# Altium PCB Traffic_Lignt_CU.PcbDoc (part 2 of 3)
Units mm, origin at the board's own origin, x right, y up, seen from the top; angles counter-clockwise.
Board outline 143.95 x 111.95 mm, 2 copper layers (Top Layer, Bottom Layer); 302 components, 196 nets, 839 pads, 465 vias.
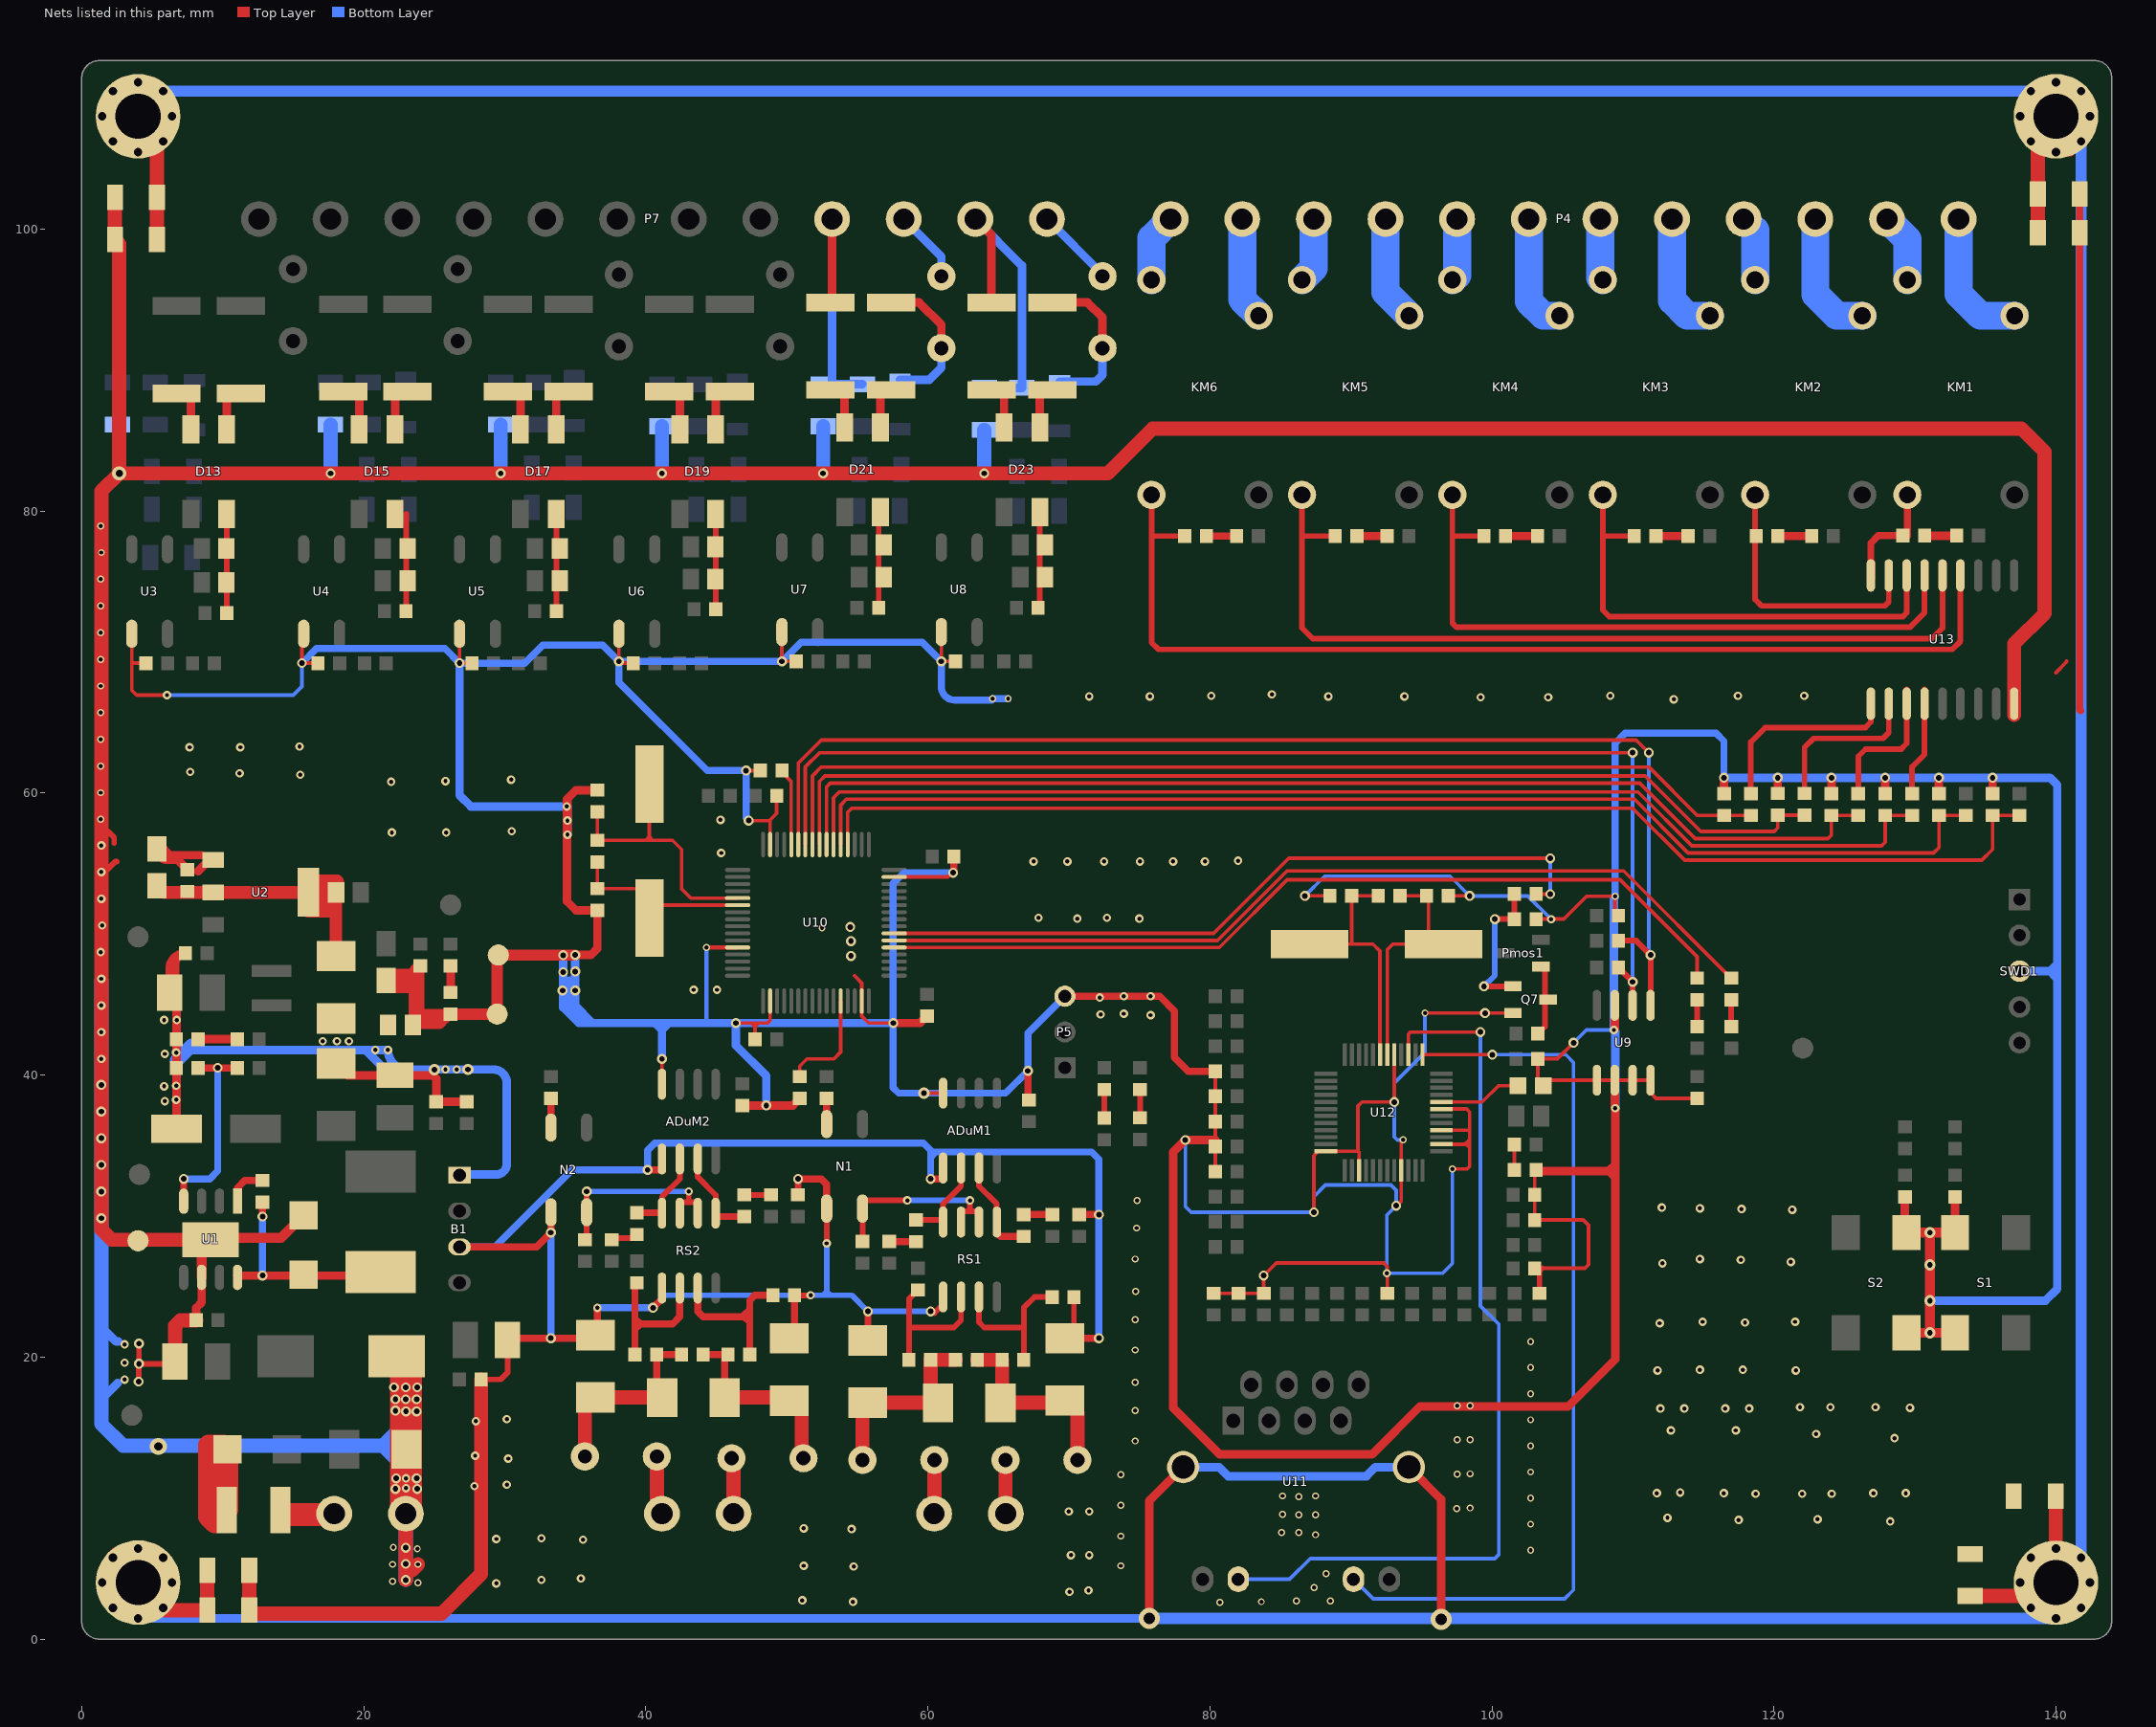
[diagram p2: the nets of this part, all layers, seen from the top]

## Via types
v1: diameter 0.7, hole 0.4, Top Layer to Bottom Layer, 172 vias
v2: diameter 0.6, hole 0.3, Top Layer to Bottom Layer, 164 vias
v3: diameter 0.5, hole 0.3, Top Layer to Bottom Layer, 78 vias
v4: diameter 0.8, hole 0.6, Top Layer to Bottom Layer, 32 vias
v5: diameter 0.8, hole 0.4, Top Layer to Bottom Layer, 10 vias
v6: diameter 0.9, hole 0.5, Top Layer to Bottom Layer, 4 vias
v7: diameter 1.5, hole 0.8, Top Layer to Bottom Layer, 2 vias
v8: diameter 1, hole 0.5, Top Layer to Bottom Layer, 2 vias
v9: diameter 1.2, hole 0.6, Top Layer to Bottom Layer, 1 vias

## Nets (pads, with @x,y where several pads share a name; then routed paths per layer and width w, separated by ;. In a path a pad name is that pad's centre, name@x,y a point inside that pad or via, vN(x,y) a via of type N, cw(c..) or ccw(c..) an arc to the next point about the centre after c; other vN are vias at no path point) (continued)
A/D_IN9: P7.4 R46.1 R49.2 R50.2 | length 19.9
  Top Layer w0.6: R46.1@53.086,94.794 53.213,94.921 P7.4@53.213,100.711
  Bottom Layer w0.6: P7.4@53.213,100.711 53.213,89.027 53.179,88.993 R49.2@55.372,88.993
A/D_IN10: F13.1 P7.3 | length 5.2
  Bottom Layer w0.6: P7.3@58.293,100.711 60.96,98.044 F13.1@60.96,96.647
A/D_IN10-2: D22.2 F13.2 R51.1 | length 10.5
  Top Layer w0.6: R51.1@57.404,94.794 59.384,94.794 60.96,93.218 F13.2@60.96,91.547
  Bottom Layer w0.6: D22.2@58.039,89.314 60.104,89.314 60.96,90.17 F13.2@60.96,91.547
A/D_IN11: P7.2 R53.1 R56.2 R59.2 | length 22.4
  Top Layer w0.6: P7.2@63.373,100.711 64.516,99.568 R53.1@64.516,94.794
  Bottom Layer w0.6: P7.2@63.373,100.711 66.675,97.409 R56.2@66.675,88.739 R59.2@64.008,88.739
A/D_IN12: F14.1 P7.1 | length 5.7
  Bottom Layer w0.6: P7.1@68.453,100.711 72.39,96.774 F14.1@72.39,96.647
A/D_IN12-2: D24.2 F14.2 R57.1 | length 11.3
  Top Layer w0.6: R57.1@68.834,94.794 71.322,94.794 72.39,93.726 F14.2@72.39,91.547
  Bottom Layer w0.6: D24.2@69.342,89.187 71.915,89.187 72.39,89.662 F14.2@72.39,91.547
ACTLED: U11.10 U12.27 | length 63.4
  Top Layer w0.254: U12.27@94.079,41.446 94.079,42.898 94.234,43.053 v1(99.187,43.053)
  Bottom Layer w0.254: U11.10@82.017,4.244 85.651,4.244 87.122,5.715 100.203,5.715 100.499,6.011 100.499,22.31 99.187,23.622 v1(99.187,43.053)
AT_SCL: R87.2 U9.6 U10.58 | length 83.9
  Top Layer w0.254: U10.58@51.32,56.35 51.32,61.861 52.324,62.865 v1(109.982,62.865)
  Top Layer w0.4: R87.2@108.974,47.625 109.982,46.617 U9.6@109.982,44.945
  Bottom Layer w0.254: v1(109.982,46.609) v1(109.982,62.865)
AT_SDA: R88.2 U9.5 U10.59 | length 87.8
  Top Layer w0.254: U10.59@50.82,56.35 50.82,62.123 52.451,63.754 110.236,63.754 v1(111.125,62.865)
  Top Layer w0.4: R88.2@108.974,49.53 110.236,49.53 v1(111.252,48.514) U9.5@111.252,44.945
  Bottom Layer w0.254: v1(111.125,62.865) 111.125,48.641 v1(111.252,48.514)
BOOT0: R91.2 U10.60 | length 5.4
  Top Layer w0.254: R91.2@49.657,61.468 50.32,60.805 U10.60@50.32,56.35
BOOT1: R95.2 U10.28 | length 7.7
  Top Layer w0.254: R95.2@50.927,39.886 50.927,40.64 51.435,41.148 53.34,41.148 53.82,41.628 U10.28@53.82,45.25
EGND: EC1.1 EC2.1 EC3.1 EC4.1 EGND1.0 EGND2.0 EGND3.0 EGND4.0 ER1.1 ER2.1 ER3.1 ER4.1 U11.13 U11.14 | length 518.8
  Top Layer w0.6: v4(4,6.413) EGND1.0@3.963,6.413 ; v4(4,110.413) EGND2.0@3.937,110.413 ; EGND2.0@5.34,105.784 v4(5.778,106.222) ; v7(75.7,1.46) 75.7,9.783 U11.13@78.111,12.194 ; U11.14@94.111,12.194 96.4,9.905 v7(96.4,1.4) ; EGND4.0@138.71,105.734 v4(138.222,106.222) ; EGND3.0@139.99,6.44 cw(c139.95,6.44) EGND3.0@139.98,6.413 ; EGND3.0@140,4 cw(c139.06,4) 139.06,3.06 EGND3.0@138.222,3.06 ; v4(140,6.413) EGND3.0@139.98,6.413 ; v4(140,110.413) 138.857,110.413 v4(138.222,109.778) ; EGND4.0@140.05,110.2 140.472,109.778 EGND4.0@140.672,109.778 ; v4(2.222,5.778) 2.46,6.016 2.857,6.413 EGND1.0@3.963,6.413 ; v4(2.222,5.778) 3.328,5.778 EGND1.0@3.963,6.413 ; v4(2.222,5.778) 2.222,4.762 v4(1.46,4) 2.222,3.238 v4(2.222,2.222) 2.73,2.73 v4(4,1.46) 4.762,2.222 v4(5.778,2.222) 5.778,3.365 v4(6.413,4) 5.778,4.635 v4(5.778,5.778) 4.922,5.778 4.25,6.45 4,6.45 EGND1.0@3.963,6.413 ; EGND2.0@2.857,110.413 2.944,110.5 3.85,110.5 EGND2.0@3.937,110.413 ; EGND2.0@2.857,110.413 v4(2.222,109.778) 2.222,108.762 v4(1.46,108) 2.222,107.238 v4(2.222,106.222) 3.238,106.222 v4(4,105.46) 4.762,106.222 v4(5.778,106.222) ; EGND2.0@2.857,110.413 EGND2.0@3.937,110.413 ; EGND2.0@3.937,110.413 4.572,109.778 v4(5.778,109.778) 5.778,108.635 v4(6.413,108) 5.778,107.365 v4(5.778,106.222) ; EGND3.0@138.222,3.06 v4(138.222,2.222) 139.238,2.222 v4(140,1.46) 140.762,2.222 v4(141.778,2.222) 141.778,3.365 v4(142.413,4) 141.778,4.635 v4(141.778,5.778) 140.572,5.778 EGND3.0@139.95,6.4 ; EGND3.0@138.222,3.06 138.222,3.238 v4(137.46,4) 138.222,4.762 v4(138.222,5.778) EGND3.0@138.844,6.4 ; v4(138.222,106.222) 139.238,106.222 v4(140,105.46) ; v4(138.222,106.222) 138.222,107.238 v4(137.46,108) 138.222,108.762 v4(138.222,109.778) ; v4(138.222,109.778) 139.428,109.778 140.05,110.4 EGND4.0@140.672,109.778 ; EGND3.0@138.844,6.4 138.857,6.413 EGND3.0@139.98,6.413 ; EGND3.0@138.844,6.4 EGND3.0@139.95,6.4 ; EGND3.0@139.95,6.4 ccw(c139.95,6.44) EGND3.0@139.98,6.413 ; v4(140,105.46) 141.016,105.46 v4(141.778,106.222) ; v4(140,105.46) 140.762,106.222 v4(141.778,106.222) ; EGND4.0@140.672,109.778 v4(141.778,109.778) 141.778,108.635 v4(142.413,108) ; v4(141.778,106.222) 142.413,106.857 v4(142.413,108) ; v4(141.778,106.222) 141.778,107.365 v4(142.413,108)
  Top Layer w1: v4(2.222,5.778) ccw(c2.222,6.016) EGND1.0@2.46,6.016 ; EGND1.0@4.762,2.222 ccw(c5.074,2.222) EGND1.0@5.074,1.91 ; EC3.1@5.34,99.25 ER3.1@5.34,102.25 EGND2.0@5.34,105.784 ; v4(5.778,2.222) ccw(c5.95,2.222) 5.95,2.05 ER4.1@8.91,2.05 EC4.1@8.91,4.89 ; EC1.1@133.9,3.06 EGND3.0@138.222,3.06 ; ER2.1@138.71,99.75 EC2.1@138.71,102.5 EGND4.0@138.71,105.734 ; EGND3.0@139.99,6.44 ER1.1@139.99,10.15
  Bottom Layer w0.6: v4(4,1.46) 5.778,1.46 ; v4(5.778,2.222) 5.778,1.46 ; v7(75.7,1.46) 5.778,1.46 ; U11.13@78.111,12.194 80.656,12.194 81.3,11.55 91.1,11.55 91.744,12.194 U11.14@94.111,12.194
  Bottom Layer w0.8: v4(5.778,109.778) v4(138.222,109.778) ; v7(75.7,1.46) v4(140,1.46) ; v4(141.778,5.778) v4(141.778,106.222)
GND: ADuM1.4 ADuM2.4 C5.1 C9.1 C11.1 C15.2 C16.2 C22.2 C26.2 C31.2 C32.2 C36.1 C37.2 C38.1 C39.1 C40.1 C41.1 C42.1 C43.1 C44.1 C45.1 C46.1 C47.1 C48.1 C49.1 C50.1 C51.2 C53.2 C54.2 C55.2 C56.1 D6.K D41.K E5.2 EC1.2 EC2.2 ER1.2 ER2.2 GND1.1 L4.2 P5.3 Q7.2 R91.1 R95.1 R99.1 R103.1 R104.1 R105.1 R106.1 R107.1 R113.2 R119.2 R122.2 R123.2 R124.2 R125.2 R126.2 R127.2 S1.1 S1.4 S2.2 S2.3 SWD1.3 U3.3 U4.3 U5.3 U6.3 U7.3 U8.3 U9.1 U9.2 U9.3 U9.4 U9.7 U10.12 U10.18 U10.31 U10.47 U10.63 U12.3 U12.9 U12.14 U12.16 U12.19 U12.29 U12.48 VSS1.1 | length 762.3
  Top Layer w0.254: U3.3@3.556,71.295 3.429,71.168 3.556,71.041 3.556,69.215 ; C15.2@4.564,69.215 3.556,69.215 ; v2(6.05,66.95) 3.9,66.95 3.556,67.294 3.556,69.215 ; U4.3@15.748,71.295 15.621,71.168 v1(15.621,69.215) C16.2@16.756,69.215 ; U5.3@26.797,71.295 v1(26.797,69.215) C22.2@27.678,69.215 ; U6.3@38.1,71.295 v1(38.1,69.342) 38.227,69.215 C26.2@39.108,69.215 ; ADuM2.4@41.148,39.357 v1(41.148,41.148) ; v1(46.388,43.688) 47.482,43.688 ; v1(47.117,61.595) R91.1@48.125,61.595 ; v1(47.3,58.05) 48.779,58.05 48.82,58.091 ; C45.1@47.744,42.545 47.744,43.426 ; U10.18@48.82,45.25 48.82,43.867 48.641,43.688 48.006,43.688 ; U10.63@48.82,56.35 48.82,58.091 ; C42.1@49.284,59.817 49.284,58.555 48.82,58.091 ; U7.3@49.657,71.422 v1(49.657,69.342) C31.2@50.665,69.342 ; 54.8,47.05 55.32,46.53 U10.31@55.32,45.25 55.32,44.18 55.812,43.688 v1(57.55,43.688) ; U10.47@57.62,54.05 61.416,54.05 v1@61.857,54.491 ; v5(59.722,38.722) ADuM1.4@61.087,38.722 ; U8.3@60.96,71.422 v1(60.96,69.342) C32.2@61.968,69.342 ; C9.1@67.1,38.318 C9.1@67.183,38.235 ; C55.2@80.264,24.527 C53.2@82.042,24.527 C51.2@83.82,24.527 v1(83.82,25.781) 84.709,26.67 92.329,26.67 92.583,26.416 C56.1@92.583,24.527 ; R103.1@80.383,33.155 R104.1@80.383,34.933 R105.1@80.383,36.711 R106.1@80.383,38.489 R107.1@80.383,40.267 ; v1@86.753,52.717 C47.1@88.519,52.717 ; v1(87.376,30.274) 87.376,34.29 87.682,34.596 U12.48@88.229,34.596 90.499,34.596 ; U12.3@90.579,33.246 90.579,34.516 90.499,34.596 ; U12.29@93.079,41.446 v1(93.079,38.088) 90.788,38.088 90.499,37.799 90.499,34.596 ; v1(93.218,30.734) 93.579,31.095 U12.9@93.579,33.246 93.579,35.279 v3(93.7,35.4) ; v3(95.253,44.397) v1(99.515,44.397) Q7.2@101.493,44.397 ; U12.14@96.429,35.096 98.088,35.096 ; U12.16@96.429,36.096 98.397,36.096 ; U12.19@96.429,37.596 98.204,37.596 98.425,37.375 98.425,35.433 ; C49.1@96.917,52.717 v1@98.413,52.717 ; v3(97.2,33.35) 98.25,33.35 98.425,33.525 98.425,34.85 ; C46.1@103.044,26.297 103.55,26.297 106.597,26.297 106.85,26.55 106.85,29.35 106.474,29.726 C48.1@103.044,29.726 C50.1@103.044,31.504 D41.K@103.044,33.194 ; R99.1@103.132,51.062 105.112,51.062 106.725,52.675 v3(108.725,52.675) 108.725,51.557 C37.2@108.974,51.308 ; v1(105.791,42.291) 104.656,41.156 R119.2@103.259,41.156 103.259,39.635 108.712,39.635 U9.4@111.25,39.635 ; U9.4@111.252,39.637 111.252,38.735 111.641,38.346 C41.1@114.554,38.346 ; 140,68.55 140.75,69.3 140.75,69.35 ; 47.482,43.688 48.006,43.688 ; 47.482,43.688 47.744,43.426 ; 47.744,43.426 48.006,43.688 ; 98.088,35.096 98.179,35.096 ; 98.088,35.096 98.425,35.433 ; 98.179,35.096 98.421,35.096 98.425,35.1 ; 98.179,35.096 98.425,34.85 ; 98.425,34.85 98.425,35.1 ; 98.425,35.1 98.425,35.433
  Top Layer w0.3: v3(44.3,49.05) U10.12@46.52,49.05
  Top Layer w0.4: C46.1@103.044,26.297 C46.1@103.378,25.963 ; R113.2@103.378,24.527 C46.1@103.378,25.963 ; 103.55,26.297 103.378,26.125 C46.1@103.378,25.963
  Top Layer w0.5: v1@61.857,54.491 C43.1@61.857,55.499 ; C9.1@67.1,38.318 v1(67.1,40.3) ; P5.3@69.723,45.593 76.457,45.593 77.5,44.55 77.5,41.25 78.483,40.267 R107.1@80.383,40.267 ; EC2.2@141.69,102.5 ER2.2@141.69,99.75 141.69,65.91 141.75,65.85
  Top Layer w0.6: E5.2@21.677,46.609 cw(c21.677,46.696) E5.2@21.59,46.696 ; D6.K@26.17,44.323 D6.K@26.162,44.315 ; VSS1.1@29.464,48.514 VSS1.1@29.55,48.514 ; v2(34.45,57.05) v2(34.45,58.05) 34.45,59.53 ; v1(35,48.514) 36.114,48.514 36.576,48.976 C38.1@36.576,51.681 35.06,51.681 34.417,52.324 34.417,59.563 34.45,59.53 ; C36.1@36.576,60.206 35.06,60.206 34.45,59.596 34.45,59.53 ; C11.1@46.863,37.838 50.419,37.838 R95.1@50.927,38.346 ; v1(57.55,43.688) 59.444,43.688 C44.1@59.944,44.188 ; R104.1@80.383,35.4 v1(78.265,35.4) 77.4,34.535 77.4,16.4 80.7,13.1 91.5,13.1 94.9,16.5 105.4,16.5 108.75,19.85 108.75,32.744 ; D41.K@103.044,33.194 108.3,33.194 ; v2(108.65,43.2) 108.712,43.262 U9.7@108.712,44.945 ; U9.2@108.712,39.637 108.712,39.635 108.712,37.688 v2(108.75,37.65) 108.75,33.644 ; R122.2@116.459,59.96 v1(116.459,61.087) ; R123.2@120.269,59.968 v1(120.269,61.087) ; R124.2@124.079,59.96 v1(124.079,61.087) ; R125.2@127.889,59.96 v1(127.889,61.087) ; S2.3@129.286,28.956 C40.1@129.286,31.361 ; R126.2@131.699,59.96 v1(131.699,61.087) ; S1.4@132.842,28.829 C39.1@132.842,31.361 ; R127.2@135.509,59.96 v1(135.509,61.087) ; E5.2@21.59,46.696 ccw(c22.186,46.696) 22.186,46.1 23.495,46.1 ; E5.2@21.59,46.696 ccw(c21.804,46.696) 21.804,46.482 23.495,46.482 ; E5.2@21.59,46.696 cw(c21.794,46.696) 21.794,46.9 23.495,46.9 ; E5.2@21.59,46.696 cw(c22.13,46.696) 22.13,47.236 23.495,47.236 ; L4.2@23.481,43.561 ccw(c23.481,44.083) L4.2@23.495,43.561 ; L4.2@23.481,43.561 cw(c23.896,43.561) L4.2@23.495,43.668 ; L4.2@23.481,43.561 L4.2@23.495,43.561 ; L4.2@23.495,43.561 ccw(c23.481,44.083) L4.2@23.992,43.976 ; L4.2@23.495,43.561 L4.2@23.495,43.668 ; L4.2@23.495,43.561 25.408,43.561 D6.K@25.823,43.976 ; L4.2@23.495,43.668 cw(c23.896,43.561) 23.896,43.976 L4.2@23.992,43.976 ; L4.2@23.495,43.668 23.495,46.1 ; 23.495,46.1 23.495,46.482 ; 23.495,46.482 23.495,46.9 ; 23.495,46.9 23.495,47.236 ; 23.495,47.236 cw(c24.003,47.236) C5.1@24.003,47.744 24.003,44.4 ; L4.2@23.992,43.976 ccw(c23.481,44.083) 24.003,44.083 24.003,44.4 ; L4.2@23.992,43.976 D6.K@25.823,43.976 ; 24.003,44.4 26.077,44.4 cw(c26.077,44.315) D6.K@26.162,44.315 ; D6.K@25.823,43.976 D6.K@26.162,44.315 ; 108.3,33.194 108.75,32.744 ; 108.3,33.194 108.75,33.194 ; 108.3,33.194 108.75,33.644 ; 108.75,32.744 108.75,33.194 ; 108.75,33.194 108.75,33.644
  Top Layer w0.7: S2.2@129.413,21.717 v5(131.064,21.717) ; S2.3@129.413,28.829 v5(131.064,28.829) ; S1.1@132.842,21.717 v5(131.064,21.717) ; S1.4@132.842,28.829 v5(131.064,28.829) ; v5(131.064,21.717) v5(131.064,24.003) v5(131.064,26.543) v5(131.064,28.829)
  Top Layer w0.8: D6.K@26.17,44.323 GND1.1@29.464,44.323 VSS1.1@29.464,48.514 ; VSS1.1@29.55,48.514 v1(35,48.514)
  Bottom Layer w0.254: v2(6.05,66.95) 15.007,66.95 15.621,67.564 v1(15.621,69.215) ; v1@37.973,69.215 v1(38.1,69.342) ; v1(78.265,35.4) 78.265,30.685 78.676,30.274 v1(87.376,30.274) 87.376,31.376 88.2,32.2 92.85,32.2 93.218,31.832 v1(93.218,30.734) 92.55,30.066 v2(92.55,25.95) 96.5,25.95 97.2,26.65 v3(97.2,33.35) ; v1(86.741,52.705) 88.136,54.1 97.03,54.1 v1(98.425,52.705) 102.545,52.705 v2(104.2,51.05) ; v3(93.7,35.4) 93.3,35.4 93.079,35.621 v1(93.079,38.088) 93.079,39.429 95.253,41.603 v3(95.253,44.397) ; v1(105.791,42.291) 106.7,43.2 v2(108.65,43.2)
  Bottom Layer w0.3: 44.3,43.688 v3(44.3,49.05)
  Bottom Layer w0.5: v1(15.621,69.215) 16.656,70.25 25.762,70.25 v1(26.797,69.215) 31.415,69.215 32.7,70.5 36.942,70.5 v1(38.1,69.342) ; v1(47.3,58.05) 47.117,58.233 v1(47.117,61.595) 44.355,61.595 38.1,67.85 v1(38.1,69.342) ; v1(61.8,54.35) 58.3,54.35 57.55,53.6 v1(57.55,43.688) 57.55,39.1 57.928,38.722 v5(59.722,38.722) 65.522,38.722 v1(67.1,40.3) 67.1,42.97 P5.3@69.723,45.593 ; v3(65.7,66.7) v3(64.6,66.7) cw(c64.5,66.7) 64.5,66.6 61.9,66.6 cw(c61.9,67.54) 60.96,67.54 v1(60.96,69.342) 59.602,70.7 51.015,70.7 v1(49.657,69.342) v1(38.1,69.342) ; v3(108.725,52.675) 108.725,63.525 109.45,64.25 115.9,64.25 116.459,63.691 v1(116.459,61.087)
  Bottom Layer w0.6: v1(26.797,69.215) 26.797,59.853 27.6,59.05 v2(34.4,59.05) 34.45,59 v2(34.45,58.05) v2(34.45,57.05) ; v1(34.15,48.5) v1(34.15,47.3) 34.15,44.8 35.262,43.688 35.812,43.688 ; 34.6,46.7 34.6,44.9 35.812,43.688 ; v1(35,48.514) v1(35,47.35) v1(35,46) 35,44.9 36.212,43.688 ; v1(41.148,41.148) 41.148,43.198 ; v1(48.55,37.85) 48.55,39.95 46.388,42.112 v1(46.388,43.688) ; v1(57.55,43.688) v1(46.388,43.688) ; v3(108.725,52.675) 108.65,52.6 v2(108.65,43.2) 108.75,43.1 v2(108.75,37.65) ; v1(116.459,61.087) v1(120.269,61.087) v1(124.079,61.087) v1(127.889,61.087) v1(131.699,61.087) v1(135.509,61.087) 139.573,61.087 140.081,60.579 140.081,47.879 ; v5(131.064,24.003) 139.253,24.003 140.081,24.831 140.081,46.95 ; SWD1.3@137.414,47.371 139.573,47.371 ; 35.812,43.688 36.212,43.688 ; 36.212,43.688 40.7,43.688 ; 40.7,43.688 41.638,43.688 ; 40.7,43.688 40.7,43.646 41.148,43.198 ; 41.148,43.198 41.638,43.688 ; 41.638,43.688 v1(46.388,43.688) ; 139.573,47.371 139.994,46.95 140.081,46.95 ; 139.573,47.371 140.081,47.879 ; 140.081,46.95 140.081,47.879
  other v1: 34.1,46 54.55,48.45 54.55,49.5 54.5,50.5
  other v2: 128.25,8.35 117.5,8.45 123.1,8.5 112.45,8.6 118.7,10.3 122,10.3 124.1,10.3 111.7,10.35 116.45,10.35 127.05,10.35 129.35,10.35 113.35,10.4 128.55,14.25 123,14.55 112.7,14.8 117.3,14.8 111.95,16.35 113.65,16.35 116.55,16.35 118.25,16.35 129.65,16.4 121.85,16.45 124,16.45 127.2,16.45 111.75,19.05 121.55,19.05 114.75,19.1 117.8,19.1 111.9,22.4 117.95,22.45 114.95,22.5 121.5,22.5 112.1,26.65 121.2,26.75 117.65,26.9 114.75,26.95 121.3,30.45 117.7,30.5 114.75,30.55 112.05,30.6 75.8,44.25 72.25,44.3 73.9,44.35 72.2,45.5 73.9,45.593 75.8,45.593 43.4,46.05 45.05,46.05 70.6,51.1 75,51.1 67.85,51.15 72.7,51.15 67.5,55.15 69.9,55.15 72.5,55.15 75.05,55.15 77.4,55.15 79.65,55.15 82,55.2 45.35,55.75 22,57.2 25.85,57.2 30.5,57.3 45.3,58.1 21.95,60.8 25.8,60.85 30.45,60.95 15.5,61.3 11.2,61.4 7.7,61.5 7.65,63.25 11.25,63.25 15.45,63.3 112.9,66.65 99.2,66.8 104,66.8 71.45,66.85 75.75,66.85 88.4,66.85 93.8,66.85 80.1,66.9 108.4,66.9 117.45,66.9 122.15,66.9 84.4,67
  other v3: 80.7,2.6 83.65,2.65 86.15,2.7 88.55,2.7 87.4,3.65 88.25,4.65 102.75,6.3 87.5,7.4 85.1,7.55 86.3,7.55 102.75,8.15 86.3,8.8 87.5,8.8 85.15,8.85 97.5,9.25 98.45,9.3 102.75,10 86.3,10.1 85.15,10.15 87.5,10.15 97.55,11.7 98.45,11.717 102.75,11.85 102.75,13.7 98.45,14.133 97.55,14.15 102.75,15.55 97.55,16.55 98.45,16.55 102.75,17.4 102.75,19.25 102.75,21.1 52.5,50.45
GNDIN: B1.1 C2.1 C3.2 C4.1 C6.1 C7.1 D2.1 D4.1 D5.1 D10.1 D25.K E1.2 E2.2 E3.2 E4.2 E7.2 E8.2 EC3.2 ER3.2 GNDIN1.1 L4.1 P1.2 R2.2 R22.1 R31.1 R38.1 R45.1 R50.1 R59.1 U1.6 U1.9 U2.1 U13.9 | length 472.9
  Top Layer w0.4: v2@1.397,54.1 1.397,54.147 2.4,55.15 2.5,55.15 ; 1.397,57.75 2.3,56.847 2.3,56.45 ; v1(4.04,18.256) v1@4.04,19.502 ; v1(4.064,20.955) v1(4.064,19.526) 6.469,19.526 E8.2@6.628,19.685 ; U1.9@8.509,27.686 U1.9@9.144,28.321
  Top Layer w0.6: E4.2@5.65,56.15 ccw(c6.8,56.15) E4.2@5.655,56.047 ; 6.65,47.2 6.65,47.933 cw(c7.358,47.933) C7.1@7.358,48.641 ccw(c7.358,47.53) 6.247,47.53 E7.2@6.247,45.847 cw(c6.247,45.371) 6.723,45.371 D25.K@6.723,42.545 R2.2@6.723,40.513 6.723,36.195 E2.2@6.731,36.195 ; C4.1@7.5,54.57 6.811,55.259 6.6,55.259 ; C2.1@8.12,22.606 8.12,23.487 8.509,23.876 U1.6@8.509,25.654 ; 8.25,54.45 9.059,55.259 U2.1@9.325,55.259 cw(c9.066,55.259) U2.1@9.066,55 ; 8.45,55.6 6.259,55.6 ; D4.1@18.034,40.818 18.871,39.981 E3.2@22.225,39.981 24.916,39.981 25.146,39.751 C3.2@25.146,38.108 C6.1@27.305,38.108 ; E4.2@5.334,56.047 ccw(c6.122,56.047) 6.071,55.261 ; E4.2@5.334,56.047 ccw(c5.781,56.047) 5.781,55.6 E4.2@5.79,55.6 ; E4.2@5.334,56.047 E4.2@5.655,56.047 ; E4.2@5.655,56.047 ccw(c6.8,56.15) E4.2@5.79,55.6 ; E4.2@5.655,56.047 5.812,56.047 6.259,55.6 ; E4.2@5.79,55.6 ccw(c6.8,56.15) 6.071,55.261 ; E4.2@5.79,55.6 6.259,55.6 ; 6.071,55.261 ccw(c6.122,56.047) 6.122,55.259 6.6,55.259 ; 6.259,55.6 6.6,55.259
  Top Layer w0.7: U1.6@8.509,25.654 U1.9@8.509,27.686 ; U1.9@9.144,28.448 14.156,28.448 D2.1@15.748,30.04
  Top Layer w1: v2@1.397,54.1 1.397,29.053 2.129,28.321 U1.9@9.144,28.321 ; v2@1.397,54.147 1.397,57.75 1.397,81.407 v8(2.667,82.677) ; ER3.2@2.36,102.25 EC3.2@2.36,99.25 2.667,98.943 v8(2.667,82.677) ; E8.2@6.628,19.685 6.628,22.228 7.006,22.606 C2.1@8.12,22.606 ; P1.2@22.352,9.525 E1.2@22.352,20.066 ; v1(22.987,4.191) 22.987,4.89 ; E1.2@22.987,19.431 v1(22.987,17.85) v1(22.987,17) P1.2@22.987,8.89 ; E1.2@23.622,18.796 23.622,9.525 P1.2@22.987,8.89 ; v3(23.85,5.3) 23.44,4.89 22.987,4.89 ; U13.9@137.033,65.554 137.033,70.583 139.192,72.742 139.192,84.201 137.541,85.852 75.952,85.852 72.777,82.677 v1(52.578,82.677) v8(2.667,82.677) ; 22.987,4.89 v1(22.987,5.334) v1(22.987,6.477) P1.2@22.987,8.89
  Bottom Layer w0.6: 1.397,16.9 1.397,16.997 2.55,18.15 ; 1.397,22.15 2.447,21.1 2.6,21.1 ; v2(6.7,38.25) ccw(c6.7,38.3) 6.75,38.3 6.75,41.05 v2@6.75,41.726 ; v2(6.7,41.6) cw(c6.883,41.6) v2@6.75,41.726 ; v2(6.75,43.9) 6.75,41.783 v2@6.883,41.783 ; 21.65,40.25 20.117,41.783 ; B1.1@26.797,32.893 cw(c26.854,32.893) 26.854,32.95 29.4,32.95 ccw(c29.4,33.7) 30.15,33.7 30.15,39.45 ccw(c29.2,39.45) 29.2,40.4 v5(27.4,40.4) v2(26.6,40.4) v2(25.8,40.4) 25.033,40.4 v5(25.019,40.386) 23.114,40.386 cw(c23.114,41.783) v2(21.717,41.783) v2(20.828,41.783) 20.117,41.783 ; v2@6.75,41.726 cw(c6.883,41.6) v2@6.883,41.783 ; v2@6.883,41.783 7.483,41.783 20.117,41.783
  Bottom Layer w1: 1.397,16.9 1.397,15.253 2.934,13.716 v9@5.384,13.716 ; 1.397,16.997 1.397,22.15 v1(1.397,29.845) v2@1.397,46.7 ; v8(2.667,82.677) R22.1@2.667,86.013 ; v9(5.44,13.66) v9@5.384,13.716 ; 6.75,41.05 7.483,41.783 7.8,42.1 ; v1(17.653,82.677) R31.1@17.653,86.14 ; 22.25,14.6 21.366,13.716 ; v1(22.987,4.191) v1(22.987,5.334) v1(22.987,6.477) P1.2@22.987,8.89 22.987,12.573 22.63,12.93 ; v1(29.718,82.677) R38.1@29.718,86.14 ; v1(41.148,82.677) R45.1@41.148,86.013 ; v1(52.578,82.677) R50.1@52.578,86.013 ; v1(64.008,82.677) R59.1@64.008,85.759 ; v9@5.384,13.716 21.366,13.716 ; 21.366,13.716 21.844,13.716 22.63,12.93 ; 21.366,13.716 22.152,12.93 22.63,12.93
  other v1: 22.25,10.65 23.8,10.65 22.3,11.4 23.75,11.4 23,16.15 23.75,16.15 22.25,16.2 22.25,17 23.75,17 22.15,17.85 23.8,17.85 1.397,31.737 1.397,33.63 1.397,35.522 1.397,37.415 1.397,39.307
  other v2: 23,10.7 23,11.4 3.05,18.4 3.05,19.6 3.05,20.9 5.9,38.15 5.85,39.2 6.7,39.25 1.397,41.15 5.9,41.5 17.1,42.4 18.1,42.4 18.95,42.4 1.397,43.042 5.85,43.9 1.397,44.935 1.397,46.827 1.35,48.72 1.45,50.612 1.397,52.505 1.397,54.397 1.4,56.29
  other v3: 23.85,4 22.05,4.1 22.05,5.3 23.8,6.4 22.1,6.5 1.35,58.132 1.35,60.025 1.35,61.917 1.35,63.81 1.35,65.702 1.35,67.595 1.35,69.487 1.35,71.38 1.35,73.272 1.35,75.165 1.4,77.057 1.35,78.95
GNDISO: ADuM1.5 ADuM2.5 B1.3 C8.1 C10.1 C58.2 E9.2 EC4.2 ER4.2 N1.3 N2.3 R8.1 R15.1 RS1.5 RS2.5 TVS1.2 TVS3.1 TVS4.2 TVS6.1 | length 183
  Top Layer w0.4: C58.2@28.329,18.415 29.718,18.415 30.202,18.899 E9.2@30.202,21.209 ; R15.1@50.554,24.376 v2@51.808,24.376 ; v2(52.832,28.067) N1.3@52.832,30.528 ; v1(60.198,23.241) 60.198,23.381 60.465,23.114 61.087,23.736 RS1.5@61.087,24.27 ; TVS1.2@70.366,21.979 R8.1@70.366,24.257
  Top Layer w0.5: B1.3@26.797,27.813 32.258,27.813 v1(33.274,28.829) N2.3@33.274,30.274 ; E9.2@30.202,21.209 30.329,21.336 v1(33.274,21.336) 35.974,21.336 TVS6.1@36.101,21.209 ; TVS6.1@36.449,21.557 36.576,21.684 v2(36.576,23.495) ; v1(40.132,33.274) 41.148,33.274 ADuM2.5@41.148,34.049 ; v1(40.513,23.495) 41.148,24.13 RS2.5@41.148,24.897 ; TVS4.2@50.554,21.717 R15.1@50.554,24.376 ; C10.1@50.8,31.504 v1(50.8,32.639) 52.451,32.639 52.832,32.258 N1.3@52.832,30.528 ; TVS3.1@55.753,21.184 v1(55.753,23.241) ; v1(60.198,32.639) 61.087,32.639 ADuM1.5@61.087,33.414 ; TVS1.2@69.723,21.336 v1(72.136,21.336) ; C8.1@70.739,30.107 v1@72.128,30.107
  Top Layer w1: EC4.2@11.89,4.89 ER4.2@11.89,2.05 ccw(c12.14,2.05) 12.14,1.8 25.508,1.8 28.329,4.621 C58.2@28.329,18.415
  Bottom Layer w0.4: v1(40.513,23.495) 41.402,24.384 v2(51.689,24.384) 52.578,24.384 ; v2(52.832,28.067) 52.832,24.638 ; v1(60.198,23.241) v1(55.753,23.241) 54.61,24.384 53.086,24.384 ; 52.578,24.384 52.832,24.638 ; 52.578,24.384 52.832,24.384 ; 52.832,24.384 52.832,24.638 ; 52.832,24.384 53.086,24.384 ; 52.832,24.638 53.086,24.384
  Bottom Layer w0.5: B1.3@26.797,27.813 29.313,27.813 34.774,33.274 v1(40.132,33.274) 40.132,34.671 40.64,35.179 59.69,35.179 60.198,34.671 60.198,34.544 ; v1(33.274,21.336) v1(33.274,28.829) ; v2(36.576,23.495) v1(40.513,23.495) ; v1(60.198,32.639) 60.198,34.163 ; v1(72.136,21.336) v1(72.136,30.099) 72.136,34.036 71.628,34.544 60.579,34.544 ; 60.198,34.163 60.198,34.544 ; 60.198,34.163 60.579,34.544 ; 60.198,34.544 60.579,34.544
  other v2: 54.7,2.65 51.1,2.75 70.05,3.35 71.4,3.45 29.4,3.95 32.6,4.2 35.4,4.3 54.75,5.15 51.2,5.2 70.15,5.95 71.45,5.95 35.55,7.05 29.4,7.1 32.6,7.15 54.6,7.8 51.2,7.85 70,9.05 71.45,9.05 27.85,10.85 30.15,10.95 30.25,12.8 27.9,13 27.95,15.45 30.15,15.6
  other v3: 73.7,5.2 73.7,7.3 73.7,9.5 73.7,11.65 74.7,14.05 74.7,16.2 74.7,18.2 74.7,20.5 74.7,22.65 74.75,24.65 74.7,26.95 74.8,29.15 74.85,31.1
INTERNETRST: R98.2 U10.39 | length 52.4
  Top Layer w0.254: U10.39@57.62,50.05 80.276,50.05 85.598,55.372 v1(104.14,55.372) ; R98.2@103.14,52.832 v1(104.14,52.832)
  Bottom Layer w0.254: v1(104.14,52.832) v1@104.14,55.499
KM1: R60.2 R122.1 U10.57 | length 73.1
  Top Layer w0.254: U10.57@51.82,56.35 51.82,61.218 52.451,61.849 111.125,61.849 114.554,58.42 R60.2@118.364,58.42
KM1+: KM1.4 P4.2 | length 4.9
  Bottom Layer w2: P4.2@128.016,100.711 129.458,99.269 KM1.4@129.458,96.393
KM1-: KM1.3 P4.1 | length 9.9
  Bottom Layer w2: P4.1@133.096,100.711 133.096,95.404 134.647,93.853 KM1.3@137.058,93.853
KM2: R64.2 R123.1 U10.56 | length 77.1
  Top Layer w0.254: U10.56@52.32,56.35 52.32,60.829 52.705,61.214 110.871,61.214 114.808,57.277 120.015,57.277 120.269,57.531 R123.1@120.269,58.428 R64.2@122.174,58.428
KM2+: KM2.4 P4.4 | length 4.7
  Bottom Layer w2: P4.4@117.856,100.711 118.663,99.904 KM2.4@118.663,96.393
KM2-: KM2.3 P4.3 | length 9.3
  Bottom Layer w2: P4.3@122.936,100.711 122.936,95.364 124.447,93.853 KM2.3@126.263,93.853
KM3: R68.2 R124.1 U10.55 | length 80.5
  Top Layer w0.254: U10.55@52.82,56.35 52.82,60.44 53.086,60.706 110.49,60.706 114.427,56.769 123.825,56.769 124.079,57.023 R124.1@124.079,58.42 R68.2@125.984,58.42
KM3+: KM3.4 P4.6 | length 4.4
  Bottom Layer w2: P4.6@107.696,100.711 107.696,96.565 KM3.4@107.868,96.393
KM3-: KM3.3 P4.5 | length 8.9
  Bottom Layer w2: P4.5@112.776,100.711 112.776,94.924 113.847,93.853 KM3.3@115.468,93.853
KM4: R72.2 R125.1 U10.54 | length 83.5
  Top Layer w0.254: U10.54@53.32,56.35 53.32,59.67 53.721,60.071 110.363,60.071 114.173,56.261 127.635,56.261 127.889,56.515 R125.1@127.889,58.42 R72.2@129.794,58.42
KM4+: KM4.4 P4.8 | length 4.5
  Bottom Layer w2: KM4.4@97.2,96.393 97.536,96.729 P4.8@97.536,100.711
KM4-: KM4.3 P4.7 | length 8.4
  Bottom Layer w2: P4.7@102.616,100.711 102.616,94.884 103.647,93.853 KM4.3@104.8,93.853
KM5: R76.2 R126.1 U10.53 | length 86.8
  Top Layer w0.254: U10.53@53.82,56.35 53.82,59.154 54.229,59.563 110.109,59.563 113.919,55.753 131.318,55.753 131.699,56.134 R126.1@131.699,58.42 R76.2@133.604,58.42
KM5+: KM5.4 P4.10 | length 4.7
  Bottom Layer w2: KM5.4@86.532,96.393 87.376,97.237 P4.10@87.376,100.711
KM5-: KM5.3 P4.9 | length 7.6
  Bottom Layer w2: P4.9@92.456,100.711 92.456,95.529 KM5.3@94.132,93.853
KM6: R80.2 R127.1 U10.52 | length 89.8
  Top Layer w0.254: U10.52@54.32,56.35 54.32,58.638 54.61,58.928 109.982,58.928 113.665,55.245 134.747,55.245 135.509,56.007 R127.1@135.509,58.42 R80.2@137.414,58.42
KM6+: KM6.4 P4.12 | length 4.9
  Bottom Layer w2: KM6.4@75.864,96.393 75.864,99.359 P4.12@77.216,100.711
KM6-: KM6.3 P4.11 | length 7.3
  Bottom Layer w2: P4.11@82.296,100.711 82.296,95.021 KM6.3@83.464,93.853
LD1: D39.K U10.37 | length 62.7
  Top Layer w0.254: U10.37@57.62,49.05 80.68,49.05 85.478,53.848 109.102,53.848 114.554,48.396 D39.K@114.554,46.871
LD2: D40.K U10.38 | length 64.5
  Top Layer w0.254: U10.38@57.62,49.55 80.538,49.55 85.471,54.483 109.347,54.483 D40.K@116.967,46.863
LINKLED: U11.11 U12.25 | length 64.8
  Top Layer w0.254: U12.25@95.079,41.446 v1(100.032,41.446)
  Bottom Layer w0.254: U11.11@90.192,4.244 91.586,2.85 105.15,2.85 105.791,3.491 105.791,40.894 105.239,41.446 v1(100.032,41.446)
NetADuM1_6: ADuM1.6 D8.K RS1.4 | length 6.1
  Top Layer w0.4: D8.K@59.182,29.726 RS1.4@60.939,29.726 ; RS1.4@61.087,29.578 61.087,30.861 62.357,32.131 ADuM1.6@62.357,33.414
NetADuM1_7: ADuM1.7 D9.K RS1.1 | length 7.1
  Top Layer w0.4: ADuM1.7@63.627,33.414 63.627,32.131 64.897,30.861 RS1.1@64.897,29.578
  Top Layer w0.5: RS1.1@64.897,29.578 64.897,28.829 65.159,28.567 D9.K@66.802,28.567
NetADuM2_6: ADuM2.6 D11.K RS2.4 | length 7
  Top Layer w0.4: RS2.4@41.148,29.337 RS2.4@41.148,30.205 41.148,31.369 42.418,32.639 ADuM2.6@42.418,34.049
  Top Layer w0.5: D11.K@39.37,30.234 RS2.4@41.119,30.234
NetADuM2_7: ADuM2.7 D12.K RS2.1 | length 6.5
  Top Layer w0.4: ADuM2.7@43.688,34.049 43.688,32.766 44.958,31.496 RS2.1@44.958,30.205
  Top Layer w0.5: RS2.1@44.958,30.205 45.199,29.964 D12.K@46.99,29.964
NetC1_1: C1.1 D2.2 L1.1 U1.8 | length 17.2
  Top Layer w0.5: U1.8@11.049,25.781 v1(12.827,25.781) ; v1(12.827,29.972) C1.1@12.827,30.98 ; L1.1@20.955,25.781 L1.1@21.209,26.035
  Top Layer w0.6: U1.8@11.049,25.781 L1.1@20.955,25.781
  Bottom Layer w0.5: v1(12.827,25.781) v1(12.827,29.972)
NetC1_2: C1.2 U1.1 | length 2
  Top Layer w0.5: 11.049,32.004 11.565,32.52 C1.2@12.827,32.52
NetC4_2: C4.2 D5.2 E4.1 L2.1 U2.2 U2.4 | length 26
  Top Layer w0.9: E4.1@5.334,53.427 5.81,52.951 7.493,52.951 9.317,52.951 U2.2@9.325,52.959 U2.4@16.075,52.959 ; D5.2@18.034,48.438 18.034,51.689 ; 18.161,53.721 18.107,53.775 16.075,53.775 U2.4@16.075,52.959 ; U2.4@16.075,52.959 L2.1@18.048,52.959 18.034,52.945 18.034,52.197 ; U2.4@16.075,52.959 16.075,51.616 17.961,51.616 18.034,51.689 ; U2.4@16.075,52.959 16.837,52.197 18.034,52.197 ; 18.034,51.689 18.034,52.197
NetC13_1: C13.1 C14.1 D13.4 R24.2 | length 7
  Top Layer w0.4: R24.2@10.287,72.771 D13.4@10.287,79.804
NetC17_1: C17.1 C18.1 D15.4 R30.2 | length 6.9
  Top Layer w0.4: R30.2@23.009,72.898 23.009,79.796
NetC20_1: C20.1 C21.1 D17.4 R37.2 | length 6.9
  Top Layer w0.4: R37.2@33.663,72.898 D17.4@33.663,79.796
NetC24_1: C24.1 C25.1 D19.4 R44.2 | length 6.8
  Top Layer w0.4: R44.2@44.966,73.025 D19.4@44.966,79.796
NetC29_1: C29.1 C30.1 D21.4 R52.2 | length 6.7
  Top Layer w0.4: R52.2@56.523,73.152 D21.4@56.523,79.812
NetC33_1: C33.1 C34.1 D23.4 R58.2 | length 6.7
  Top Layer w0.4: R58.2@67.945,73.271 D23.4@67.945,79.931
NetC36_2: C36.2 R90.2 U10.5 Y1.2 | length 21
  Top Layer w0.254: C36.2@36.576,58.666 R90.2@36.576,56.65 40.005,56.65 ; Y1.2@40.259,61.646 Y1.2@40.259,60.63 40.259,56.904 ; U10.5@46.52,52.55 43.208,52.55 42.545,53.213 42.545,56.007 41.902,56.65 40.513,56.65 ; 40.005,56.65 40.259,56.65 ; 40.005,56.65 40.259,56.904 ; 40.259,56.65 40.513,56.65 ; 40.259,56.65 40.259,56.904 ; 40.259,56.904 40.513,56.65
NetC38_2: C38.2 R90.1 U10.6 Y1.1 | length 10.7
  Top Layer w0.254: R90.1@36.576,55.11 C38.2@36.576,53.221 39.184,53.221 ; Y1.1@40.355,52.05 U10.6@46.52,52.05
NetC47_2: C47.2 R111.2 U12.31 Y2.1 | length 19.3
  Top Layer w0.254: R111.2@91.948,52.717 C47.2@90.059,52.717 90.059,49.288 87.841,49.288 91.567,49.288 92.064,48.791 ; 92.056,48.791 92.056,41.469 U12.31@92.079,41.446
NetC49_2: C49.2 R111.1 U12.30 Y2.2 | length 17.7
  Top Layer w0.254: U12.30@92.579,41.446 92.579,48.895 ; 92.587,48.895 92.98,49.288 Y2.2@95.512,49.288 ; R111.1@93.488,52.717 C49.2@95.377,52.717 95.512,52.582 Y2.2@95.512,49.288 ; Y2.2@97.341,49.288 Y2.2@95.512,49.288
NetC54_1: C54.1 U12.20 | length 5.9
  Top Layer w0.254: U12.20@96.429,38.096 99.31,38.096 100.465,39.251 C54.1@101.843,39.251
NetD1_1: D1.1 F1.2 | length 13
  Top Layer w1.5: 9.45,8.25 9,8.7 9,12.85 ; F1.2@10.346,9.198 D1.1@10.346,13.462 ; 9,12.85 9.612,13.462 D1.1@10.346,13.462 ; 9,12.85 9,13.75 10.058,13.75 D1.1@10.346,13.462
NetD6_A: D6.A R3.2 | length 1.9
  Top Layer w0.6: D6.A@26.162,45.855 R3.2@26.162,47.744
NetD8_A: D8.A R6.2 | length 1.9
  Top Layer w0.5: R6.2@57.293,28.186 D8.A@59.182,28.186
NetD9_A: D9.A R5.1 | length 2
  Top Layer w0.5: D9.A@66.802,30.107 R5.1@68.834,30.107
NetD11_A: D11.A R13.2 | length 1.7
  Top Layer w0.4: R13.2@37.449,28.448 D11.A@39.116,28.448
NetD12_A: D12.A R11.1 | length 1.9
  Top Layer w0.4: D12.A@46.99,31.504 R11.1@48.895,31.504
NetD13_1: D13.1 R23.2 | length 3.6
  Top Layer w0.6: D13.1@10.287,85.804 10.287,88.34 R23.2@11.303,88.34
NetD13_3: D13.3 R18.2 | length 3.6
  Top Layer w0.6: R18.2@6.731,88.34 7.747,88.34 D13.3@7.747,85.804
NetD15_1: D15.1 R29.2 | length 3.6
  Top Layer w0.6: D15.1@22.225,85.804 22.225,88.467 R29.2@23.114,88.467
NetD15_3: D15.3 R25.2 | length 3.8
  Top Layer w0.6: R25.2@18.542,88.467 19.685,88.467 D15.3@19.685,85.804
NetD17_1: D17.1 R36.2 | length 3.5
  Top Layer w0.6: D17.1@33.655,85.804 33.655,88.392 33.73,88.467 R36.2@34.544,88.467
NetD17_3: D17.3 R32.2 | length 3.6
  Top Layer w0.6: R32.2@30.226,88.467 31.115,88.467 D17.3@31.115,85.804
NetD19_1: D19.1 R43.2 | length 3.7
  Top Layer w0.6: D19.1@44.958,85.804 44.958,88.467 R43.2@45.974,88.467
NetD19_3: D19.3 R39.2 | length 3.4
  Top Layer w0.6: R39.2@41.656,88.467 42.418,88.467 D19.3@42.418,85.804
NetD21_1: D21.1 R51.2 | length 3.4
  Top Layer w0.6: D21.1@56.642,85.931 56.642,88.594 R51.2@57.404,88.594
NetD21_3: D21.3 R46.2 | length 3.7
  Top Layer w0.6: R46.2@53.086,88.594 54.102,88.594 D21.3@54.102,85.931
NetD23_1: D23.1 R57.2 | length 3.6
  Top Layer w0.6: D23.1@67.945,85.931 67.945,88.594 R57.2@68.834,88.594
NetD23_3: D23.3 R53.2 | length 3.6
  Top Layer w0.6: R53.2@64.516,88.594 65.405,88.594 D23.3@65.405,85.931
NetD25_A: D25.A R128.2 | length 2.8
  Top Layer w0.6: D25.A@8.263,42.545 R128.2@11.041,42.545
NetD26_A: D26.A R61.2 | length 2.3
  Top Layer w0.6: D26.A@130.691,78.254 R61.2@132.961,78.254
NetD26_K: D26.K KM1.2 U13.18 | length 8.9
  Top Layer w0.5: U13.18@126.873,75.438 126.873,77.724 127.403,78.254 D26.K@129.151,78.254 ; U13.18@126.918,75.206 U13.18@126.918,76.372 ; D26.K@129.458,78.232 KM1.2@129.458,81.153
NetD28_A: D28.A R65.2 | length 2.1
  Top Layer w0.6: D28.A@120.277,78.232 R65.2@122.42,78.232
NetD28_K: D28.K KM2.2 U13.17 | length 19.1
  Top Layer w0.4: KM2.2@118.663,81.153 118.663,78.232 118.663,73.742 119.126,73.279 127.889,73.279 ; 127.889,73.301 128.143,73.555 U13.17@128.143,75.438
NetD30_A: D30.A R69.2 | length 2.3
  Top Layer w0.6: D30.A@111.641,78.232 R69.2@113.911,78.232
NetD30_K: D30.K KM3.2 U13.16 | length 34.9
  Top Layer w0.4: KM3.2@107.868,81.153 107.868,78.232 ; D30.K@110.101,78.232 107.868,78.232 ; 129.159,72.517 108.331,72.517 107.868,72.98 107.868,78.232 ; 129.159,72.539 129.413,72.793 U13.16@129.413,75.438
NetD32_A: D32.A R73.2 | length 2.3
  Top Layer w0.6: D32.A@100.973,78.232 R73.2@103.243,78.232
NetD32_K: D32.K KM4.2 U13.15 | length 48
  Top Layer w0.4: KM4.2@97.2,81.153 97.2,78.232 ; D32.K@99.433,78.232 97.2,78.232 ; 129.667,71.755 97.495,71.755 97.2,72.05 97.2,78.232 ; 129.667,71.777 130.683,72.793 U13.15@130.683,75.438
NetD34_A: D34.A R77.2 | length 2.1
  Top Layer w0.6: D34.A@90.432,78.232 R77.2@92.575,78.232
NetD34_K: D34.K KM5.2 U13.14 | length 61.6
  Top Layer w0.4: KM5.2@86.532,81.153 86.532,78.232 ; D34.K@88.892,78.232 86.532,78.232 ; U13.14@131.953,75.438 131.953,71.703 131.198,70.948 87.302,70.948 86.532,71.718 86.532,78.232
NetD36_A: D36.A R81.2 | length 2.1
  Top Layer w0.5: D36.A@79.764,78.232 R81.2@81.907,78.232
NetD36_K: D36.K KM6.2 U13.13 | length 75.3
  Top Layer w0.4: KM6.2@75.864,81.153 75.864,78.232 ; D36.K@78.224,78.232 75.864,78.232 ; U13.13@133.223,75.438 133.223,70.773 132.636,70.186 76.364,70.186 75.864,70.686 75.864,78.232
NetD37_A: D37.A R85.2 | length 1.9
  Top Layer w0.4: R85.2@75.057,37.084 D37.A@75.057,38.973
NetD38_A: D38.A R86.2 | length 2
  Top Layer w0.4: R86.2@72.517,36.957 D38.A@72.517,38.973
NetD39_A: D39.A R93.2 | length 1.9
  Top Layer w0.4: R93.2@114.554,43.442 D39.A@114.554,45.331
NetD40_A: D40.A R94.2 | length 1.9
  Top Layer w0.4: R94.2@116.967,43.442 D40.A@116.967,45.331
NetD41_A: D41.A R97.1 | length 1.8
  Top Layer w0.254: D41.A@101.592,33.282 R97.1@101.592,35.06
NetF1_1: F1.1 P1.1 | length 7.6
  Top Layer w1: F1.1@14.092,9.144 17.653,9.144 P1.1@17.907,8.89 17.526,8.509 F1.1@14.351,8.509
NetF4_1: F4.1 FB1.1 R9.2 TVS1.1 TVS2.2 | length 13.7
  Top Layer w1: R9.2@63.508,19.812 FB1.1@65.27,19.812 TVS2.2@65.27,16.883 ; TVS2.2@65.151,16.764 TVS1.1@69.571,16.764 ; TVS1.1@69.723,16.916 70.612,16.027 F4.1@70.612,12.7
NetF4_2: F4.2 P2.2 | length 3.8
  Top Layer w1: P2.2@65.512,8.91 F4.2@65.512,12.7
NetF5_1: F5.1 FB2.1 R9.1 TVS2.1 TVS3.2 | length 12.9
  Top Layer w1: F5.1@55.372,12.7 TVS3.2@55.372,16.383 ; TVS3.2@55.753,16.764 TVS2.1@60.731,16.764 ; TVS2.1@60.206,17.289 FB2.1@60.206,19.812 R9.1@61.968,19.812
NetF5_2: F5.2 P2.1 | length 3.8
  Top Layer w1: P2.1@60.472,8.91 F5.2@60.472,12.7
NetF6_1: F6.1 FB3.1 R16.2 TVS4.1 TVS5.2 | length 12
  Top Layer w0.5: R16.2@44.077,20.185 FB3.1@45.839,20.185 ; TVS5.2@45.593,17.137 FB3.1@45.593,19.939
  Top Layer w1: TVS5.2@45.593,17.137 TVS4.1@49.936,17.137 ; F6.1@51.054,12.827 TVS4.1@51.054,15.892
NetF6_2: F6.2 P3.2 | length 4
  Top Layer w0.5: F6.2@46.081,12.827 F6.2@46.228,12.68
  Top Layer w1: P3.2@46.228,8.89 F6.2@46.228,12.68
NetF7_1: F7.1 FB4.1 R16.1 TVS5.1 TVS6.2 | length 14.2
  Top Layer w0.5: TVS6.2@35.687,16.375 TVS6.2@36.449,17.137 ; TVS5.1@41.173,17.137 40.775,17.535 FB4.1@40.775,20.185 R16.1@42.537,20.185
  Top Layer w1: F7.1@35.687,12.954 TVS6.2@35.687,16.375 ; TVS6.2@36.449,17.137 TVS5.1@41.173,17.137
NetF7_2: F7.2 P3.1 | length 3.7
  Top Layer w1: P3.1@40.787,9.251 F7.2@40.787,12.954
NetFB1_2: FB1.2 R8.2 RS1.7 | length 11.2
  Top Layer w0.4: RS1.7@63.627,24.27 63.627,22.479 64.008,22.098 66.81,22.098 ; FB1.2@66.81,19.812 66.81,22.098 ; R8.2@68.826,24.257 67.564,24.257 66.81,23.503 66.81,22.868 66.81,22.098
NetFB2_2: FB2.2 R10.1 RS1.6 | length 10.8
  Top Layer w0.4: FB2.2@58.666,19.812 58.666,22.098 ; R10.1@59.309,24.757 58.666,24.114 58.666,22.098 ; RS1.6@62.357,24.27 62.357,22.606 61.849,22.098 58.666,22.098
NetFB3_2: FB3.2 R15.2 RS2.7 | length 12.4
  Top Layer w0.5: RS2.7@43.688,24.897 43.688,23.241 44.069,22.86 47.379,22.86 ; 46.863,22.86 47.379,23.376 ; 46.998,22.86 47.379,22.479 ; FB3.2@47.379,20.185 47.379,22.479 ; R15.2@49.014,24.376 47.744,24.376 47.379,24.011 47.379,22.86 ; 47.379,22.479 47.379,22.86
NetFB4_2: FB4.2 R17.1 RS2.6 | length 11.6
  Top Layer w0.5: FB4.2@39.235,20.185 39.235,21.971 ; R17.1@39.235,25.273 39.235,22.733 ; RS2.6@42.418,24.897 42.418,22.86 41.91,22.352 39.616,22.352 ; 39.235,21.971 39.235,22.352 ; 39.235,21.971 39.616,22.352 ; 39.235,22.352 39.616,22.352 ; 39.235,22.352 39.235,22.733 ; 39.235,22.733 39.616,22.352
NetN1_2: N1.2 R7.2 | length 1.9
  Top Layer w0.5: N1.2@52.832,36.401 R7.2@52.832,38.346
NetN1_4: N1.4 R4.2 RS1.2 RS1.3 | length 12.2
  Top Layer w0.4: N1.4@55.245,31.115 v2(58.547,31.115) ; R4.2@55.372,28.202 N1.4@55.372,30.655 ; RS1.3@62.484,30.347 63.119,30.347 ; v2(62.992,31.115) 62.992,30.347 RS1.2@63.627,30.347
  Bottom Layer w0.4: v2(58.547,31.115) v2(62.992,31.115)
NetN2_2: N2.2 R14.2 | length 1.7
  Top Layer w0.5: N2.2@33.274,36.449 R14.2@33.274,38.156
NetN2_4: N2.4 R12.2 RS2.2 RS2.3 | length 12.4
  Top Layer w0.4: R12.2@35.814,28.583 N2.4@35.814,30.274 v1(35.814,31.75) ; RS2.3@42.418,30.988 43.053,30.988 ; v2(43.053,31.75) 43.053,30.988 ; RS2.2@43.688,30.988 43.053,30.988
  Bottom Layer w0.4: v1(35.814,31.75) v2(43.053,31.75)
NetPmos1_1: Pmos1.1 Q7.3 R96.1 | length 5.3
  Top Layer w0.4: R96.1@103.259,42.934 103.759,43.434 103.759,45.113 Q7.3@103.993,45.347 103.759,45.581 103.759,47.425 Pmos1.1@103.485,47.699
NetQ7_1: Q7.1 R98.1 R99.2 | length 10.3
  Top Layer w0.4: v1(99.441,46.297) Q7.1@101.493,46.297 ; v1(100.211,51.062) R99.2@101.592,51.062 R98.1@101.592,52.84
  Bottom Layer w0.4: v1(99.441,46.297) 100.211,47.067 v1(100.211,51.062)
NetR1_1: R1.1 R2.1 U1.4 | length 14
  Top Layer w0.5: U1.4@7.239,31.181 v1(7.239,32.639) ; R2.1@8.628,40.513 R1.1@11.176,40.513
  Bottom Layer w0.5: v1(7.239,32.639) 9.089,32.639 9.652,33.202 v1(9.652,40.513)
NetR60_1: R60.1 U13.1 | length 14
  Top Layer w0.4: R60.1@118.364,59.96 118.364,63.627 119.38,64.643 126.492,64.643 ; 126.492,64.665 126.873,65.046 U13.1@126.873,66.338
NetR64_1: R64.1 U13.2 | length 11.7
  Top Layer w0.4: R64.1@122.174,59.968 122.174,63.246 122.809,63.881 127.762,63.881 ; 127.762,63.903 128.143,64.284 U13.2@128.143,66.338
NetR68_1: R68.1 U13.3 | length 10.3
  Top Layer w0.4: R68.1@125.984,59.96 125.984,62.611 126.492,63.119 129.032,63.119 ; 129.032,63.141 129.413,63.522 U13.3@129.413,67.354
NetR72_1: R72.1 U13.4 | length 7.8
  Top Layer w0.4: R72.1@129.794,59.96 129.794,61.849 130.683,62.738 130.683,63.141 130.683,64.157 U13.4@130.683,67.354